# Altium PCB PCB1.PcbDoc (continued)
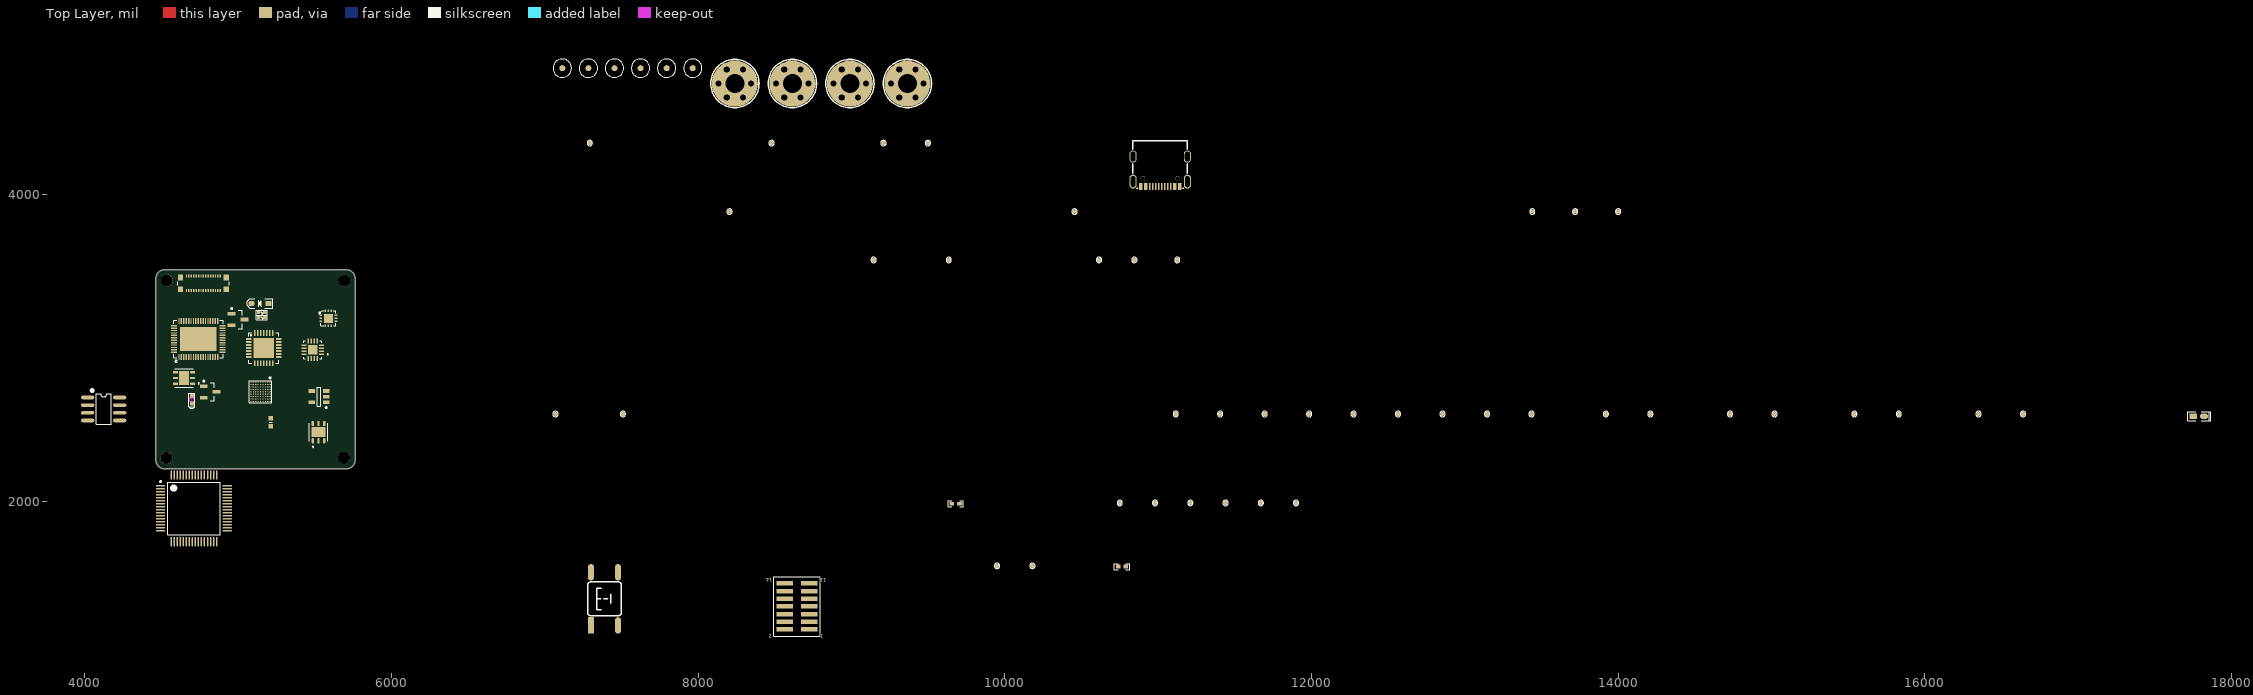
[diagram p0: Top Layer view]
## Footprints (in the part's own frame and the unit in brackets; to place one, negate y for a bottom-side part, rotate by r counter-clockwise, add the part's x,y. Pads: shape width x height; smd on the part's side, far side on the other; paste and mask are expansions set on the pad) (continued)
  silkscreen extent -2.4,-1.89 1.83,1.89, body extent -1.83,-1.88 1.83,1.88, height 0.4
C0402_L [mm] "无极性贴片电容"
  rect 0.4x0.5 smd: 1(-0.45,0) 2(0.45,0)
  silkscreen extent 0,-0.15 0,0.15, body extent -0.5,-0.26 0.5,0.26, height 0.54
C0603_L [mil] "无极性贴片电容"
  rect 30x30 smd: 1(-25.59,0) 2(25.59,0)
  silkscreen extent 0,-9 0,9, body extent -31,-16 32,16, height 33
ESD0402 [mil]
  rect 25x25 smd: 1(0,2) 2(50,2)
  Top Layer region: 13,-4.5 19.5,2 12.75,8.75 12.75,-4 13,-4 13,-4.5
  Top Layer region: 11,-8.5 21.75,2.25 10.75,13.25 10.75,-8 11,-8 11,-8.5
  Top Layer region: 37.5,9 31,2.5 37.75,-4.25 37.75,8.5 37.5,8.5 37.5,9
  Top Layer region: 39.5,13 28.75,2.25 39.75,-8.75 39.75,12.5 39.5,12.5 39.5,13
  Top Layer lines w2: 5.5,9.5 13,9.5 ; 37.5,9.5 45,9.5 ; 7,8 14.5,8 ; 36,8 43.5,8 ; 8,6.5 15.5,6.5 ; 34.5,6.5 42,6.5 ; 9,5.5 16.5,5.5 ; 33.5,5 41,5 ; 10,4.5 17.5,4.5 ; 32,4 39.5,4 ; 11.5,3.5 19,3.5 ; 31,3 38.5,3 ; 12.5,2.5 20,2.5 ; 30.5,2 38,2 ; 12,1.5 19.5,1.5 ; 31.5,1 39,1 ; 11,0.5 18.5,0.5 ; 33,0 40.5,0 ; 9.5,-0.5 17,-0.5 ; 34,-1 41.5,-1 ; 8.5,-2 16,-2 ; 35,-2 42.5,-2 ; 7,-3.5 14.5,-3.5 ; 36,-3.5 43.5,-3.5 ; 5.5,-5 13,-5 ; 37.5,-5 45,-5
  Top Layer keep-out region: 12.5,14.5 37.5,14.5 37.5,-10.5 12.5,-10.5 12.5,14.5
  silkscreen extent -30,-18 70,22, body extent -5,-10 50,15, height 20
L0402 [mil] "小功率贴片电感"
  rect 30x25 smd: 1(-25,0) 2(25,0)
  silkscreen extent -50,-20 50,20, body extent -20,-10 20,10, height 20
L0402D [mil]
  rect 19.68x19.68 smd: 1(-33.35,-24.61) 2(6.02,-24.61) 3(-33.35,-56.1) 4(6.02,-56.1)
  silkscreen extent -49,-72 22,-8, body extent -45,-70 20,-10, height 20
L0603 [mm]
  rect 0.965x0.8 smd mask+0.05: 1(-0.8,0) 2(0.8,0)
  silkscreen extent -1.45,-0.6 1.45,0.6
LED0603_W [mil]
  rect 50x35 smd: 1(-35,0.26)
  oct 50x35 smd: 2(35,0.26)
  silkscreen extent -71,-28 81,28, body extent -31,-16 31,16, height 18
LQFP64_L [mm]
  oval 1.55x0.25 smd: 1(-5.525,3.75) 2(-5.525,3.25) 3(-5.525,2.75) 4(-5.525,2.25) 5(-5.525,1.75) 6(-5.525,1.25) 7(-5.525,0.75) 8(-5.525,0.25) 9(-5.525,-0.25) 10(-5.525,-0.75) 11(-5.525,-1.25) 12(-5.525,-1.75) 13(-5.525,-2.25) 14(-5.525,-2.75) 15(-5.525,-3.25) 16(-5.525,-3.75) 33(5.525,-3.75) 34(5.525,-3.25) 35(5.525,-2.75) 36(5.525,-2.25) 37(5.525,-1.75) 38(5.525,-1.25) 39(5.525,-0.75) 40(5.525,-0.25) 41(5.525,0.25) 42(5.525,0.75) 43(5.525,1.25) 44(5.525,1.75) 45(5.525,2.25) 46(5.525,2.75) 47(5.525,3.25) 48(5.525,3.75)
  oval 0.25x1.55 smd: 17(-3.75,-5.525) 18(-3.25,-5.525) 19(-2.75,-5.525) 20(-2.25,-5.525) 21(-1.75,-5.525) 22(-1.25,-5.525) 23(-0.75,-5.525) 24(-0.25,-5.525) 25(0.25,-5.525) 26(0.75,-5.525) 27(1.25,-5.525) 28(1.75,-5.525) 29(2.25,-5.525) 30(2.75,-5.525) 31(3.25,-5.525) 32(3.75,-5.525) 49(3.75,5.525) 50(3.25,5.525) 51(2.75,5.525) 52(2.25,5.525) 53(1.75,5.525) 54(1.25,5.525) 55(0.75,5.525) 56(0.25,5.525) 57(-0.25,5.525) 58(-0.75,5.525) 59(-1.25,5.525) 60(-1.75,5.525) 61(-2.25,5.525) 62(-2.75,5.525) 63(-3.25,5.525) 64(-3.75,5.525)
  silkscreen extent -5.65,-4.35 4.35,4.55, body extent -6,-6 6,6, height 1.45
M3x4_N [mil]
  round 40 hole 40: 1(-106,0) 1(-53,-91.8) 1(-53,91.8) 1(53,-91.8) 1(53,91.8) 1(106,0)
  round 300 hole 125: 1(0,0)
  silkscreen extent -157,-157 157,157, body extent -106,-93 106,93, height 159
MARK [mm]
  round 1 smd mask+0.05: 1(0,0)
  Top Layer pour cut-out: 1.524,0 1.523,0.066 1.519,0.133 1.511,0.199 1.501,0.265 1.488,0.33 1.472,0.395 1.454,0.458 1.432,0.521 1.408,0.583 1.382,0.644 1.352,0.704 1.32,0.762 1.286,0.819 1.249,0.874 1.209,0.928 1.168,0.98 1.124,1.03 1.078,1.078 1.03,1.124 0.98,1.168 0.928,1.209 0.874,1.249 0.819,1.286 0.762,1.32 0.704,1.352 0.644,1.382 0.583,1.408 0.521,1.432 0.458,1.454 0.395,1.472 0.33,1.488 0.265,1.501 0.199,1.511 0.133,1.519 0.066,1.523 0,1.524 -0.066,1.523 -0.133,1.519 -0.199,1.511 -0.265,1.501 -0.33,1.488 -0.395,1.472 -0.458,1.454 -0.521,1.432 -0.583,1.408 -0.644,1.382 -0.704,1.352 -0.762,1.32 -0.819,1.286 -0.874,1.249 -0.928,1.209 -0.98,1.168 -1.03,1.124 -1.078,1.078 -1.124,1.03 -1.168,0.98 -1.209,0.928 -1.249,0.874 -1.286,0.819 -1.32,0.762 -1.352,0.704 -1.382,0.644 -1.408,0.583 -1.432,0.521 -1.454,0.458 -1.472,0.395 -1.488,0.33 -1.501,0.265 -1.511,0.199 -1.519,0.133 -1.523,0.066 -1.524,0 -1.523,-0.066 -1.519,-0.133 -1.511,-0.199 -1.501,-0.265 -1.488,-0.33 -1.472,-0.395 -1.454,-0.458 -1.432,-0.521 -1.408,-0.583 -1.382,-0.644 -1.352,-0.704 -1.32,-0.762 -1.286,-0.819 -1.249,-0.874 -1.209,-0.928 -1.168,-0.98 -1.124,-1.03 -1.078,-1.078 -1.03,-1.124 -0.98,-1.168 -0.928,-1.209 -0.874,-1.249 -0.819,-1.286 -0.762,-1.32 -0.704,-1.352 -0.644,-1.382 -0.583,-1.408 -0.521,-1.432 -0.458,-1.454 -0.395,-1.472 -0.33,-1.488 -0.265,-1.501 -0.199,-1.511 -0.133,-1.519 -0.066,-1.523 0,-1.524 0.066,-1.523 0.133,-1.519 0.199,-1.511 0.265,-1.501 0.33,-1.488 0.395,-1.472 0.458,-1.454 0.521,-1.432 0.583,-1.408 0.644,-1.382 0.704,-1.352 0.762,-1.32 0.819,-1.286 0.874,-1.249 0.928,-1.209 0.98,-1.168 1.03,-1.124 1.078,-1.078 1.124,-1.03 1.168,-0.98 1.209,-0.928 1.249,-0.874 1.286,-0.819 1.32,-0.762 1.352,-0.704 1.382,-0.644 1.408,-0.583 1.432,-0.521 1.454,-0.458 1.472,-0.395 1.488,-0.33 1.501,-0.265 1.511,-0.199 1.519,-0.133 1.523,-0.066 1.524,0
  silkscreen extent -1.52,-1.52 1.52,1.52
QFN12 [mil]
  oval 17x10 smd: 1(0,0)
  rect 17x10 smd: 2(0,-19.68) 3(0,-39.37) 7(98.43,-39.37) 8(98.43,-19.68) 9(98.43,0)
  rect 10x17 smd: 4(29.53,-68.9) 5(49.21,-68.9) 6(68.9,-68.9) 10(68.9,29.53) 11(49.21,29.53) 12(29.53,29.53)
  rect 57.48x57.48 smd: 13(50,-20)
  Top Layer keep-out region: 35,-20
  Top Layer keep-out region: 45,-10
  Top Layer keep-out region: 45,-10
  silkscreen extent -15,-68 98,31, body extent 0,-65 100,30, height 25
QFN50P300X300X80-17N [mm]
  rrect25% 0.84x0.26 smd: 1(-1.435,0.75) 2(-1.435,0.25) 3(-1.435,-0.25) 4(-1.435,-0.75) 9(1.435,-0.75) 10(1.435,-0.25) 11(1.435,0.25) 12(1.435,0.75)
  rrect25% 0.26x0.84 smd: 5(-0.75,-1.435) 6(-0.25,-1.435) 7(0.25,-1.435) 8(0.75,-1.435) 13(0.75,1.435) 14(0.25,1.435) 15(-0.25,1.435) 16(-0.75,1.435)
  rect 1.6x1.6 smd paste-2: 17(0,0)
  silkscreen extent -2.57,-1.5 1.5,1.5, body extent -1.5,-1.5 1.5,1.5, height 0.6
QFN-28 [mm]
  rect 0.95x0.3 smd: 1(-2.5,1.5) 2(-2.5,1) 3(-2.5,0.5) 4(-2.5,0) 5(-2.5,-0.5) 6(-2.5,-1) 7(-2.5,-1.5) 15(2.5,-1.5) 16(2.5,-1) 17(2.5,-0.5) 18(2.5,0) 19(2.5,0.5) 20(2.5,1) 21(2.5,1.5)
  rect 0.3x0.95 smd: 8(-1.5,-2.5) 9(-1,-2.5) 10(-0.5,-2.5) 11(0,-2.5) 12(0.5,-2.5) 13(1,-2.5) 14(1.5,-2.5) 22(1.5,2.5) 23(1,2.5) 24(0.5,2.5) 25(0,2.5) 26(-0.5,2.5) 27(-1,2.5) 28(-1.5,2.5)
  rect 3.35x3.35 smd: PAD(0,0)
  silkscreen extent -2.5,-2.5 2.5,2.5, body extent -2.49,-2.49 2.49,2.49, height 4.44
R0402 [mil]
  rect 19.69x19.69 smd mask+1.97: 1(-17.72,0) 2(17.72,0)
  silkscreen extent 0,-7 0,7, body extent -19,-10 20,10, height 6
SAMTEC-FTSH-107-01-X-DV [mil]
  rect 29.13x109.84 smd: 1(-150,-80) 2(-150,80) 3(-100,-80) 4(-100,80) 5(-50,-80) 6(-50,80) 7(0,-80) 8(0,80) 9(50,-80) 10(50,80) 11(100,-80) 12(100,80) 13(150,-80) 14(150,80)
  silkscreen extent -193,-153 193,153, body extent -175,-183 175,107, height 279
SOD-323 [mm]
  rect 1x0.8 smd: 1(-1.4,0)
  oct 1x0.8 smd: 2(1.4,0)
  silkscreen extent -2.11,-0.76 2.11,0.76, body extent -1.32,-0.65 1.32,0.65, height 0.95
SOIC-8 [mm]
  oval 2.2x0.6 smd: 1(-2.654,1.905) 2(-2.654,0.635) 3(-2.654,-0.635) 4(-2.654,-1.905) 5(2.654,-1.905) 6(2.654,-0.635) 7(2.654,0.635) 8(2.654,1.905)
  silkscreen extent -2.06,-2.5 1.27,3.2, body extent -3,-2.5 3,2.5, height 1.9
SON95P300X300X100-7N [mm]
  rect 1.625x2.365 smd paste-2: 0(0,0)
  rrect50% 0.84x0.4 smd: 1(-1.435,0.95) 2(-1.435,0) 3(-1.435,-0.95) 4(1.435,-0.95) 5(1.435,0) 6(1.435,0.95)
  silkscreen extent -2.55,-1.5 1.5,1.5, body extent -1.5,-1.47 1.52,1.52, height 0.75
SOT23 [mm]
  rect 1.3x0.6 smd: 1(-1.05,0.95) 2(-1.05,-0.95) 3(1.05,0)
  silkscreen extent -1.17,-1.5 0.7,1.92, body extent -1.2,-1.5 1.2,1.5, height 1.05
SOT23-5 [mm]
  rect 1.05x0.6 smd: 1(-1.2,0.95) 2(-1.2,0) 3(-1.2,-0.95) 4(1.2,-0.95) 5(1.2,0.95)
  silkscreen extent -1.32,-1.55 0.3,1.92, body extent -1.4,-1.5 1.4,1.5, height 1.15
SOT_23_5 [mm]
  oval 1.1x0.6 smd mask+0.05: 1(0,0)
  rect 1.1x0.6 smd mask+0.05: 2(0,-1) 3(0,-2) 4(2.8,-2) 5(2.8,0)
  silkscreen extent 0.88,-2.5 1.95,0.5, body extent 0.46,-2.46 2.34,0.53, height 1
SPCA2680A_QFN58 [mm]
  rect 1x0.22 smd: 1(-3,3.2) 2(-3,2.8) 3(-3,2.4) 4(-3,2) 5(-3,1.6) 6(-3,1.2) 7(-3,0.8) 8(-3,0.4) 9(-3,0) 10(-3,-0.4) 11(-3,-0.8) 12(-3,-1.2) 13(-3,-1.6) 14(-3,-2) 15(-3,-2.4) 16(-3,-2.8) 17(-3,-3.2) 30(3,-3.2) 31(3,-2.8) 32(3,-2.4) 33(3,-2) 34(3,-1.6) 35(3,-1.2) 36(3,-0.8) 37(3,-0.4) 38(3,0) 39(3,0.4) 40(3,0.8) 41(3,1.2) 42(3,1.6) 43(3,2) 44(3,2.4) 45(3,2.8) 46(3,3.2)
  rect 0.22x1 smd: 18(-2.2,-4) 19(-1.8,-4) 20(-1.4,-4) 21(-1,-4) 22(-0.6,-4) 23(-0.2,-4) 24(0.2,-4) 25(0.6,-4) 26(1,-4) 27(1.4,-4) 28(1.8,-4) 29(2.2,-4) 47(2.2,4) 48(1.8,4) 49(1.4,4) 50(1,4) 51(0.6,4) 52(0.2,4) 53(-0.2,4) 54(-0.6,4) 55(-1,4) 56(-1.4,4) 57(-1.8,4) 58(-2.2,4)
  rect 4x6 smd: 59(0,0)
  silkscreen extent -3.86,-4.1 3.1,4.1, body extent -3.1,-4.09 3.1,4.09, height 0.6
TP_0R70 [mm]
  round 0.7 smd mask+0.05: 1(0,0)
  silkscreen extent -0.45,-0.45 0.45,0.45
"TSW SMD-6*6*5" [mm]
  rect 2.7x1 smd: 1(-4.4,2.261)
  oval 2.7x1 smd: 2(-4.4,-2.239) 3(4.4,-2.239) 4(4.4,2.261)
  silkscreen extent -2.79,-2.79 2.79,2.79, body extent -4.5,-3 4.5,3, height 5.03
USB-C-SMD_16P [mm]
  oval 1.2x2.3 hole 0.7 slot 1.8 at 90 deg: 0(-4.5,-1.675) 0(4.5,-1.675)
  oval 1.2x2 hole 0.8 slot 1.6 at 90 deg: 0(-4.5,2.475) 0(4.5,2.475)
  rect 0.3x1.15 smd: A1(3.35,-2.473) A4(2.55,-2.471) A5(1.25,-2.475) A6(0.25,-2.475) A7(-0.25,-2.473) A9(-2.55,-2.475) A12(-3.35,-2.475) B1(-3.05,-2.475) B4(-2.25,-2.475) B5(-1.75,-2.475) B6(-0.75,-2.475) B7(0.75,-2.473) B9(2.25,-2.471) B12(3.05,-2.473)
  rect 0.3x1.148 smd: A8(1.75,-2.475) B8(-1.25,-2.475)
  round 0.75 hole 0.75 unplated: ""(-2.89,-1.175) ""(2.89,-1.175)
  silkscreen extent -4.56,-2.75 4.5,5.08, body extent -4.44,-2.87 4.5,5.03, height 3.25
XTAL_3215-32.768K [mm]
  rect 1x1.8 smd: 1(-1.25,0) 2(1.25,0)
  silkscreen extent -2.6,-0.75 0.43,0.75, body extent -1.6,-0.75 1.6,0.75, height 0.9
XTAL_3225-8MHZ [mm]
  rect 1x1.4 smd: 1(-0.8,1.1) 2(-0.8,-1.1) 3(0.8,-1.1) 4(0.8,1.1)
  silkscreen extent -2.1,-0.08 1.25,1.2, body extent -1.17,-1.6 1.19,1.6, height 0.75

## Part data
C1 C34 C43 C51 C54 C59 C60 C61: library part "CAP NP_Dup1", "cap,1.00uF,+/-10%,10V,X5R,C0402", Part Type=C0402, PCB Footprint=C0402, Priority=A
C2 C3: library part "CAP NP_Dup1", "cap,4.3pF,+/-10%,25V,X5R,C0402", Part Type=C0402, PCB Footprint=C0402, Priority=A
C4 C31 C39 C40 C42: library part "CAP NP_Dup1", "cap,4.70uF,+/-10%,6.3V,X5R,C0402", Part Type=C0402, PCB Footprint=C0402, Priority=A
C5 C6 C17 C18: library part "CAP NP_Dup1", "cap,20pF,+/-10%,25V,X5R,C0402", Part Type=C0402, PCB Footprint=C0402, Priority=A
C7 C12 C13 C14 C15 C16 C19 C24 C37 C38 C48: library part "CAP NP_Dup1", "cap,100.00nF,+/-10%,10V,X5R,C0402", Part Type=C0402, PCB Footprint=C0402, Priority=A
C8 C9 C10 C11 C64 C66 C68: library part "CAP NP_Dup1", "cap,2.20uF,+/-10%,10V,X5R,C0402", Part Type=C0402, PCB Footprint=C0402, Priority=A
C20 C21 C22 C23 C25 C26 C27: library part "CAP NP_Dup1", "cap,1.00uF,+/-10%,6.3V,X5R,C0402", Part Type=C0402, PCB Footprint=C0402, Priority=A
C28 C29 C30 C33 C36 C53 C57 C63: library part "CAP NP_Dup1", "cap,1.0uF,+/-10%,6.3V,C0402", Part Type=C0402, PCB Footprint=C0402, Priority=A
C32 C35 C41 C46 C70: library part "CAP NP_Dup1", "cap,1.0uF,+/-10%,6.3V,X5R,C0402", Part Type=C0402, PCB Footprint=C0402, Priority=A
C44: library part "CAP NP_Dup1", "cap,22pF,+/-10%,6.3V,X5R,C0402", Part Type=C0402, PCB Footprint=C0402, Priority=A
C45: library part "CAP NP_Dup1", "cap,10uF,+/-10%,6.3V,X5R,C0402", Part Type=C0402, PCB Footprint=C0402, Priority=A
C47: library part "CAP NP_Dup1", "cap,22.00uF,+/-10%,10V,X5R,C0603", Part Type=C0603, PCB Footprint=C0603, Priority=A
C49 C50 C52 C55 C56 C58 C65 C67 C69: library part "CAP NP_Dup1", "cap,100.00nF,+/-10%,25V,X5R,C0402", Part Type=C0402, PCB Footprint=C0402, Priority=A
C62: library part "CAP NP_Dup1", "cap,1uF,+/-10%,25V,X5R,C0402", Part Type=C0402, PCB Footprint=C0402, Priority=A
D1: library part SS14, "B5819WS SL 肖特基二极管 / SOD-323", Part Type=SS14
D2: library part LED, "LED 0603 Wite 发光二极管", Part Type=SS14
ED1: library part "DIODE BI_DIR TRIG", "1-Line, Bi-directional, Transient Voltage Suppressors.17.5pF.", Part Type=ESD_TVS, PCB Footprint=ESD0402, Priority=A
FB1: library part "INDUCTOR COM", "MCZ1210AH900L2T, 0603 90Ohm 100MHz", Part Type=BEAD, PCB Footprint=RP2_0504, Priority=A
J1: "Samtec 14Pin 2x7 Header Connector. / STM32_STLINK_V3 Debug"
J2: library part 12pP254, "FFC & FPC连接器 13 PIN FPC CONNECTOR 0.3mmP FRONT FLIP"
J3: "AXE530127 Connector", Manufacturer_Name=Panasonic, Mouser2 Part Number=679-AXE530127, Datasheet Link=https://componentsearchengine.com//AXE530127.pdf, Height=0.97mm, Manufacturer_Part_Number=AXE530127, Mouser2 Price/Stock=https://www.mouser.com/Search/Refine.aspx?Keyword=679-AXE530127
L1: library part L-AL, "鐵氧體磁珠 33ohm 0.55A 550mOhms 0402 Chip Bead"
L2: library part L, "鐵氧體磁珠 120 OHM 25%"
L3: library part L, "UPZ1608U601-1R3TF 0603 贴片小功率电感"
M1 M2 M3 M4 M5 M6: "PCBA MARKS"
Q1 Q2 Q3: library part SS8050-G, "Transistor BJT NPN", Manufacturer_Name="Comchip Technology", Mouser2 Part Number=750-SS8050-G, Datasheet Link=https://componentsearchengine.com//SS8050-G.pdf, Height=1.15mm, Manufacturer_Part_Number=SS8050-G, Mouser2 Price/Stock=https://www.mouser.com/Search/Refine.aspx?Keyword=750-SS8050-G
R1 R2 R3 R4 R5 R6 R7 R8 R24 R27 R28 R29 R30 R31 R32 R33 R34 R35 R37 R45 R47 R49 R51: library part RESISTOR, "通用厚膜电阻,0R,+/-5%,R0402", Tolerance=5%, Part Type=通用厚膜电阻, PCB Footprint=R0402, Priority=A
R9 R10 R11 R13 R14 R22 R23 R25 R26 R36 R38 R57 R58: library part RESISTOR, "通用厚膜电阻,10K,+/-5%,R0402", Tolerance=5%, Part Type=通用厚膜电阻, PCB Footprint=R0402, Priority=A
R12: library part RESISTOR, "通用厚膜电阻,680R,+/-1%,R0402", Tolerance=1%, Part Type=通用厚膜电阻, PCB Footprint=R0402, Priority=A
R15: library part RESISTOR, "通用厚膜电阻,4.7K,+/-5%,R0402", Tolerance=5%, Part Type=通用厚膜电阻, PCB Footprint=R0402, Priority=A
R16 R18 R20: library part RESISTOR, "通用厚膜电阻,1K,+/-5%,R0405", Tolerance=5%, Part Type=通用厚膜电阻, PCB Footprint=R0402, Priority=A
R17 R19 R21: library part RESISTOR, "通用厚膜电阻,200R,+/-5%,R0402", Tolerance=5%, Part Type=通用厚膜电阻, PCB Footprint=R0402, Priority=A
R39 R41: library part RESISTOR, "通用厚膜电阻,180K,+/-1%,R0402,1/16W.", Tolerance=1%, Part Type=通用厚膜电阻, PCB Footprint=R0402, Priority=A
R40: library part RESISTOR, "通用厚膜电阻,100K,+/-1%,R0402", Tolerance=1%, Part Type=通用厚膜电阻, PCB Footprint=R0402, Priority=A
R42: library part RESISTOR, "通用厚膜电阻,68K,+/-1%,R0402", Tolerance=1%, Part Type=通用厚膜电阻, PCB Footprint=R0402, Priority=A
R43: library part RESISTOR, "通用厚膜电阻,5.1K,+/-5%,R0402", Tolerance=5%, Part Type=通用厚膜电阻, PCB Footprint=R0402, Priority=A
R44 R46 R48: library part RESISTOR, "通用厚膜电阻,510K,+/-1%,R0402", Tolerance=5%, Part Type=通用厚膜电阻, PCB Footprint=R0402, Priority=A
R50 R53 R54 R55 R56: library part RESISTOR, "通用厚膜电阻,2.2K,+/-5%,R0402", Tolerance=5%, Part Type=通用厚膜电阻, PCB Footprint=R0402, Priority=A
R52: library part RESISTOR, "通用厚膜电阻,510R,+/-5%,R0402", Tolerance=5%, Part Type=通用厚膜电阻, PCB Footprint=R0402, Priority=A
SP1 SP2 SP3 SP4: library part 铜柱大焊盘, "铜柱"
SW1: library part "SW SMD-4x4", "贴片4x4轻触开关"
TP1 TP2 TP3 TP4 TP5 TP6 TP7 TP8 TP9 TP10 TP11 TP12 TP13 TP14 TP15 TP16 TP17 TP18 TP19 TP20 TP21 TP22 TP23 TP24 TP25 TP26 TP27 TP28 TP29 TP30 TP31 TP32 TP33 TP34 TP35 TP36 TP37 TP38 TP39 TP40 TP41: library part TP, "Test Point 0.7mm", Part Type=TP, PCB Footprint=TP_0R50, Priority=A
U: "ARMÂ® CortexÂ®-M4 STM32F4 Microcontroller IC 32-Bit 180MHz 512KB _512K x 8_ FLASH 81-WLCSP _3.80x3.69_", Package="WLCSP-81 STMicroelectronics", Availability=Unavailable, MF=STMicroelectronics, MP=STM32F446MEY6TR, Price=None, SnapEDA_Link=https://www.snapeda.com/parts/STM32F446MEY6TR/STMicroelectronics/view-part/378075/?ref=snap
U: "FLASH - NAND Memory IC 1Gb _128M x 8_ SPI 104MHz 8-WSON _8x6_", Package="WSON-8 Winbond", Availability=Unavailable, MF="Winbond Electronics", MP="W25N01GVZEIG TR", Price=None, SnapEDA_Link=https://www.snapeda.com/parts/W25N01GVZEIG%20TR/Winbond%20Electronics/view-part/1101444/?ref=snap
U2: library part GL850G, "GL850 4 Port USB HUB QFN-28", Package=QFN-28
U3: "ES7201 PCM to PDM Convertor"
U4: "16-lead, 3 mm × 3 mm, 0.50 mm pitch LFCSP"
U5: library part LDO_PT5108, "High-PSRR 600mA LDO.Output1.8V.", Part Type=LDO, PCB Footprint=SOT_23_5, Priority=A
U6: "LD39050PU33R  /  6-DFN (3x3) / Output 500mA"
U7: library part DCDC_WL2836E, "WL2836E11 DCDC for CMOS Sensor"
U8: "RT8096A-B / SOT-23-5"
U9: library part DCDC_LP3983S, "LP3983SAB5F 2V9 DCfor CMOS SensorSOT_23_5"
U10: library part ESD_ESDA6V8UL, "2-Lines, Uni-directional,Ultra-low Capacitance.Transient Voltage Suppressors", Part Type=ESD_TVS, PCB Footprint=SOT_23, Priority=A
U11: "SPCA2688A-HV35H ISP IC / QFN58 0.4MM"
U12: library part GD25D10B, "SPI FLASH SOP-8"
U13: "SGM809-2.93V SOT-23-3/SOT-23 / Microprocessor Supervisory Circuit / Power on Reset"
USBC1: library part USB2.0_Type-C_16Pin, "USB2.0_Type-C_16Pin母座"
X1: library part XTAL-2P, "ABS05-32.768kHz-7-T / 3215 2脚无源晶振(谐振器）"
X2: library part CRYSTAL_4P, "8MHZ (16pF), 3.2 mm x 2.5 mm / 无源晶振(谐振器）"
X3: library part CRYSTAL_4P, "12MHZ (16pF), 3.2 mm x 2.5 mm / 无源晶振(谐振器）"

## Free pads (board coordinates)
  round 78.74 hole 78.74 unplated paste+0: 3(4534,2283) 3(4535,3441) 3(5692,2285) 3(5693,3441)

## Nets (pads, with @x,y where several pads share a name; then routed paths per layer and width w, separated by ;. In a path a pad name is that pad's centre, name@x,y a point inside that pad or via, vN(x,y) a via of type N, cw(c..) or ccw(c..) an arc to the next point about the centre after c; other vN are vias at no path point)
AGND: C1.2 C2.2 C3.2 C4.2 C5.2 C6.2 C7.2 C8.2 C9.2 C10.2 C11.2 C12.1 C13.2 C14.2 C15.2 C16.2 C17.2 C18.2 C19.2 C20.2 C21.1 C22.2 C23.2 C24.2 C25.2 C28.2 C29.2 C30.2 C31.2 C32.2 C33.2 C34.2 C35.2 C36.2 C37.2 C38.2 C39.2 C40.2 C41.2 C42.2 C43.2 C45.2 C46.2 C47.2 C48.2 C49.2 C50.2 C51.1 C52.1 C53.1 C54.2 C55.2 C56.1 C57.2 C58.2 C59.1 C60.2 C61.2 C62.2 C63.2 C64.2 C65.2 C66.2 C67.2 C68.2 C69.2 C70.2 D2.2 ED1.2 J1.5 J1.7 J1.11 J2.4 J2.8 J2.12 J3.1 J3.4 J3.7 J3.10 J3.13 J3.16 J3.22 J3.26 J3.30 J3.MP1 J3.MP2 J3.MP3 J3.MP4 R1.2 R12.2 R13.1 R15.2 R17.2 R19.2 R21.2 R23.2 R40.2 R42.2 R43.2 R44.1 R50.2 R53.2 R54.2 SW1.2 SW1.3 U1.12 U1.18 U1.31 U1.47 U1.63 U2.15 U3.8 U3.13 U4.12 U4.15 U4.17 U5.2 U6.0 U6.2 U7.2 U8.2 U9.2 U10.3 U11.5 U11.23 U11.26 U11.59 U12.4 U13.1 USBC1.A1 USBC1.A12 USBC1.B1 USBC1.B12 X2.2 X2.4 X3.2 X3.4
AUDIO_R_N: R48.2 TP22.1 USBC1.B8
AUDIO_R_P: R46.2 TP21.1 USBC1.A8
AVDD: C7.1 L1.2 U1.13
AVDD2V9: C44.1 C45.1 C66.1 C67.1 J3.25 R41.1 TP18.1 TP38.1 U9.5
BOOT0: R1.1 R2.1 U1.60
CGPIO0: R50.1 U11.7
CMOS_SCK1: J3.20 R56.1 TP23.1 U11.42
CMOS_SDA1: J3.19 R55.1 TP24.1 U11.41
CODEC_EN: C28.1 R4.1 R36.1 U4.13
DVDD1V1: C39.1 C68.1 C69.1 J3.24 TP17.1 TP39.1 U7.5
GPIO0: R53.1 U11.8
GPIO1: R54.1 U7.3 U11.9
GPIO3: U9.3 U11.11
HSI_OSC_IN: R8.2 U1.5
HSI_OSC_OUT: R7.1 U1.6
HUB1_D_N: TP3.1 U2.27 U11.21
HUB1_D_P: TP4.1 U2.28 U11.22
HUB2_D_N: TP5.1 U1.44 U2.2
HUB2_D_P: TP6.1 U1.45 U2.3
HUB_OSC_IN: C18.1 U2.6 X3.1
HUB_OSC_OUT: C17.1 U2.7 X3.3
I2C1_SCL: R25.1 R35.1 TP12.1 U1.58
I2C1_SDA: R26.1 R37.1 TP13.1 U1.59
LED_B: J2.11 Q3.3
LED_B_PWM: R20.1 U1.16
LED_G: J2.10 Q2.3
LED_G_PWM: R18.1 U1.15
LED_R: J2.9 Q1.3
LED_R_PWM: R16.1 U1.14
LOOPBACK_R_N: C26.2 R48.1
LOOPBACK_R_P: C27.2 R46.1
LSI_OSC_IN: R5.1 U1.3
LSI_OSC_OUT: R6.1 U1.4
MIPI_CSI_CLK0: J3.21 TP26.1 U11.44
MIPI_CSI_RX0_CLK_N: J3.9 TP31.1 U11.35
MIPI_CSI_RX0_CLK_P: J3.8 TP32.1 U11.36
MIPI_CSI_RX0_D0_N: J3.6 TP33.1 U11.37
MIPI_CSI_RX0_D0_P: J3.5 TP34.1 U11.38
MIPI_CSI_RX0_D1_N: J3.12 TP29.1 U11.33
MIPI_CSI_RX0_D1_P: J3.11 TP30.1 U11.34
MIPI_CSI_RX0_D2_N: J3.3 TP35.1 U11.39
MIPI_CSI_RX0_D2_P: J3.2 TP36.1 U11.40
MIPI_CSI_RX0_D3_N: J3.15 TP27.1 U11.31
MIPI_CSI_RX0_D3_P: J3.14 TP28.1 U11.32
MIPI_RX0_RST: J3.18 TP25.1 U11.43
NetC2_1: C2.1 R6.2 X1.1
NetC3_1: C3.1 R5.2 X1.2
NetC4_1: C4.1 U1.30
NetC5_1: C5.1 R7.2 X2.3
NetC6_1: C6.1 R8.1 X2.1
NetC15_1: C15.1 C16.1 L2.2 U2.1 U2.5 U2.10
NetC19_1: C19.1 R14.2 R15.1 U2.13
NetC20_1: C20.1 U3.11
NetC21_2: C21.2 U3.12
NetC22_1: C22.1 U3.10
NetC23_1: C23.1 R22.2 U3.1
NetC25_1: C25.1 U3.7
NetC26_1: C26.1 U3.6
NetC27_1: C27.1 U3.5
NetC37_1: C37.1 U5.4
NetC38_1: C38.1 R38.2 U5.3
NetC44_2: C44.2 R41.2 R42.1 U9.1
NetD2_1: D2.1 R52.1
NetL3_1: L3.1 U8.3
NetQ1_1: Q1.1 R16.2
NetQ1_2: Q1.2 R17.1
NetQ2_1: Q2.1 R18.2
NetQ2_2: Q2.2 R19.1
NetQ3_1: Q3.1 R20.2
NetQ3_2: Q3.2 R21.1
NetR3_2: R3.2 U1.8
NetR4_2: R4.2 U1.9
NetR9_1: R9.1 U2.21
NetR10_1: R10.1 U2.18
NetR11_2: R11.2 R13.2 U2.17
NetR12_1: R12.1 U2.4
NetR23_1: R23.1 U3.4
NetR28_2: R28.2 TP9.1 U4.9
NetR30_2: R30.2 TP11.1 U4.10
NetR32_2: R32.2 TP10.1 U4.11
NetR35_2: R35.2 U4.7
NetR37_2: R37.2 U4.8
NetR39_2: R39.2 R40.1 U8.5
NetR43_1: R43.1 USBC1.B5
NetR44_2: R44.2 USBC1.A5
NetR49_1: R49.1 U11.29
NetR51_1: R51.1 U11.28
NRST: C12.2 J1.12 SW1.1 SW1.4 U1.7
PDM_CLK: J2.3 R24.1 U3.3
PDM_CLK0: R24.2 U4.1
PDM_CLK1: R31.2 U4.4
PDM_DAT_0: R27.2 U4.2
PDM_DAT_1: R29.2 U4.3
PDM_DAT_2: R33.2 U4.5
PDM_DAT_3: R34.2 U4.6
PDM_SDI0: J2.5 R27.1
PDM_SDI1: J2.6 R29.1
PDM_SDI2: J2.7 R33.1
PDM_SDI3: R34.1 U3.2
SAI1_FS_B: R28.1 U1.62
SAI1_SCK_B: R30.1 U1.33
SAI1_SD_B: R32.1 U1.42
SIOVDD: C49.1 C50.1 C58.1 C60.1 C64.1 C65.1 J3.23 R55.2 R56.2 TP37.1 U11.27 U11.45 U11.57
STLINK_RX: J1.13 TP2.1 U1.37
STLINK_TX: J1.14 TP1.1 U1.38
SVAAO: C61.1 U11.24
SWCLK: J1.6 U1.49
SWDIO: J1.4 U1.46
SWO: J1.8 U1.55
USB_5V_IN: D1.1 ED1.1 USBC1.A4 USBC1.A9 USBC1.B4 USBC1.B9
USB_D_N: FB1.4 R45.1 TP19.1 U10.1 USBC1.A7 USBC1.B7
USB_D_P: FB1.2 R47.1 TP20.1 U10.2 USBC1.A6 USBC1.B6
USB_M_D_N: FB1.3 R45.2 TP7.1 U2.25
USB_M_D_P: FB1.1 R47.2 TP8.1 U2.26
VCC5V0_SYS: C32.1 C33.1 C34.1 C40.1 C47.1 C48.1 D1.2 R14.1 R38.1 TP14.1 U2.23 U5.1 U6.1 U6.6 U8.1 U8.4
VCC_1V3: C42.1 C43.1 C51.2 C52.2 C54.1 C55.1 L3.2 R39.1 U11.4 U11.13
VCC_1V8: C29.1 C31.1 TP16.1 U4.14 U5.5
VCC_3V3: C1.1 C8.1 C9.1 C10.1 C11.1 C13.1 C14.1 C24.1 C30.1 C35.1 C36.1 C41.1 C46.1 C53.2 C56.2 C57.1 C59.2 C62.1 C63.1 C70.1 J1.3 J2.1 J2.2 L1.1 L2.1 R2.2 R9.2 R10.2 R11.1 R22.1 R25.2 R26.2 R36.2 R57.2 R58.2 TP15.1 TP41.1 U1.1 U1.19 U1.32 U1.48 U1.64 U2.16 U2.24 U3.9 U4.16 U6.4 U7.1 U11.6 U11.19 U11.20 U11.25 U12.7 U12.8 U13.3
xecs: R58.1 U11.2 U12.1
xedi: TP40.1 U11.1 U12.5
xedo: U11.3 U12.2
xesk: U11.58 U12.6
xewp: R57.1 U12.3 U13.2
XHIGHDRV: R3.1 R52.2 U11.16
xHSYNC: R51.2
xVSYNC: R49.2
pads on no net: J1.1 J1.2 J1.9 J1.10 J2.13 J2.MP1 J2.MP2 J3.17 J3.27 J3.28 J3.29 M1.1 M2.1 M3.1 M4.1 M5.1 M6.1 R31.1 SP1.1 SP2.1 SP3.1 SP4.1 U1.2 U1.10 U1.11 U1.17 U1.20 U1.21 U1.22 U1.23 U1.24 U1.25 U1.26 U1.27 U1.28 U1.29 U1.34 U1.35 U1.36 U1.39 U1.40 U1.41 U1.43 U1.50 U1.51 U1.52 U1.53 U1.54 U1.56 U1.57 U1.61 U2.8 U2.9 U2.11 U2.12 U2.14 U2.19 U2.20 U2.22 U2.PAD U6.3 U6.5 U7.4 U9.4 U11.10 U11.12 U11.14 U11.15 U11.17 U11.18 U11.30 U11.46 U11.47 U11.48 U11.49 U11.50 U11.51 U11.52 U11.53 U11.54 U11.55 U11.56 U.0 U.1 U.2 U.3 U.4 U.5 U.6 U.A1 U.A2 U.A3 U.A4 U.A5 U.A6 U.A7 U.A8 U.A9 U.B1 U.B2 U.B3 U.B4 U.B5 U.B6 U.B7 U.B8 U.B9 U.C1 U.C2 U.C3 U.C4 U.C5 U.C6 U.C7 U.C8 U.C9 U.D1 U.D2 U.D3 U.D4 U.D5 U.D6 U.D7 U.D8 U.D9 U.E1 U.E2 U.E3 U.E4 U.E5 U.E6 U.E7 U.E8 U.E9 U.F1 U.F2 U.F3 U.F4 U.F5 U.F6 U.F7 U.F8 U.F9 U.G1 U.G2 U.G3 U.G4 U.G5 U.G6 U.G7 U.G8 U.G9 U.H1 U.H2 U.H3 U.H4 U.H5 U.H6 U.H7 U.H8 U.H9 U.J1 U.J2 U.J3 U.J4 U.J5 U.J6 U.J7 U.J8 U.J9 USBC1. USBC1.0

## Silkscreen, mask and mechanical layers (free items; w line width, h text height)
Mechanical 1:
  lines w0.5: 1897.07,0.25 13589.98,0.25 13589.98,8267.97 1897.07,8267.97 1897.07,0.25
Bottom Assembly:
  circle w0.25: c10240.87,5514.94 r0.12
  circle w0.25: c10240.87,5177.07 r0.12
  circle w0.25: c9260.56,5161.32 r0.12
  circle w0.25: c9910.16,5396.13 r0.12
  circle w0.25: c9910.16,5232.17 r0.12
  circle w0.25: c9260.56,5161.32 r0.12
  circle w0.25: c6756.41,5436.84 r0.12
  circle w0.25: c6756.41,5187.18 r0.12
  circle w0.25: c7110.74,5161.32 r0.12
  circle w0.25: c8123.36,3781.55 r0.12
  circle w0.25: c8123.36,3921.16 r0.12
  circle w0.25: c8083.99,3921.16 r0.12
  circle w0.25: c7051.69,3980.22 r0.12
  circle w0.25: c7085.95,3932.11 r0.12
  circle w0.25: c7009.38,3967.12 r0.12
  circle w0.25: c7070.37,4016.93 r0.12
  circle w0.25: c7092.38,3947.41 r0.12
  circle w0.25: c6987.37,4036.64 r0.12
  circle w0.25: c7089.45,5245.76 r0.12
  circle w0.25: c6990.31,5053.25 r0.12
  circle w0.25: c7110.74,3781.55 r0.12
  circle w0.25: c7110.74,3980.22 r0.12
  circle w0.25: c5634.35,3921.16 r0.12
Mechanical 31:
  drawing of 7502 lines, arcs and shapes, not listed

## Dimensions
4550,3512 to 4523.35,2211.86 on Mechanical 1
4462,3395 to 5763.77,3452.02 on Mechanical 1

## Text inside footprints (layer, text, board x,y; h text height)
J1: Top Overlay "1" at 8817,1141 h35 r180; Top Overlay "2" at 8482,1141 h35 r180; Top Overlay "13" at 8835,1510 h35 r180; Top Overlay "14" at 8483,1509 h35 r180; Mechanical 16 "1" at 8757.01,1066.93 h77.5 r90; Mechanical 16 "2" at 8582.99,1066.93 h77.5 r90; Mechanical 16 "13" at 8757.01,1531.58 h77.5 r90; Mechanical 16 "14" at 8582.99,1531.58 h77.5 r90